# KiCad board SBC.kicad_pcb
date: 2023-05-13
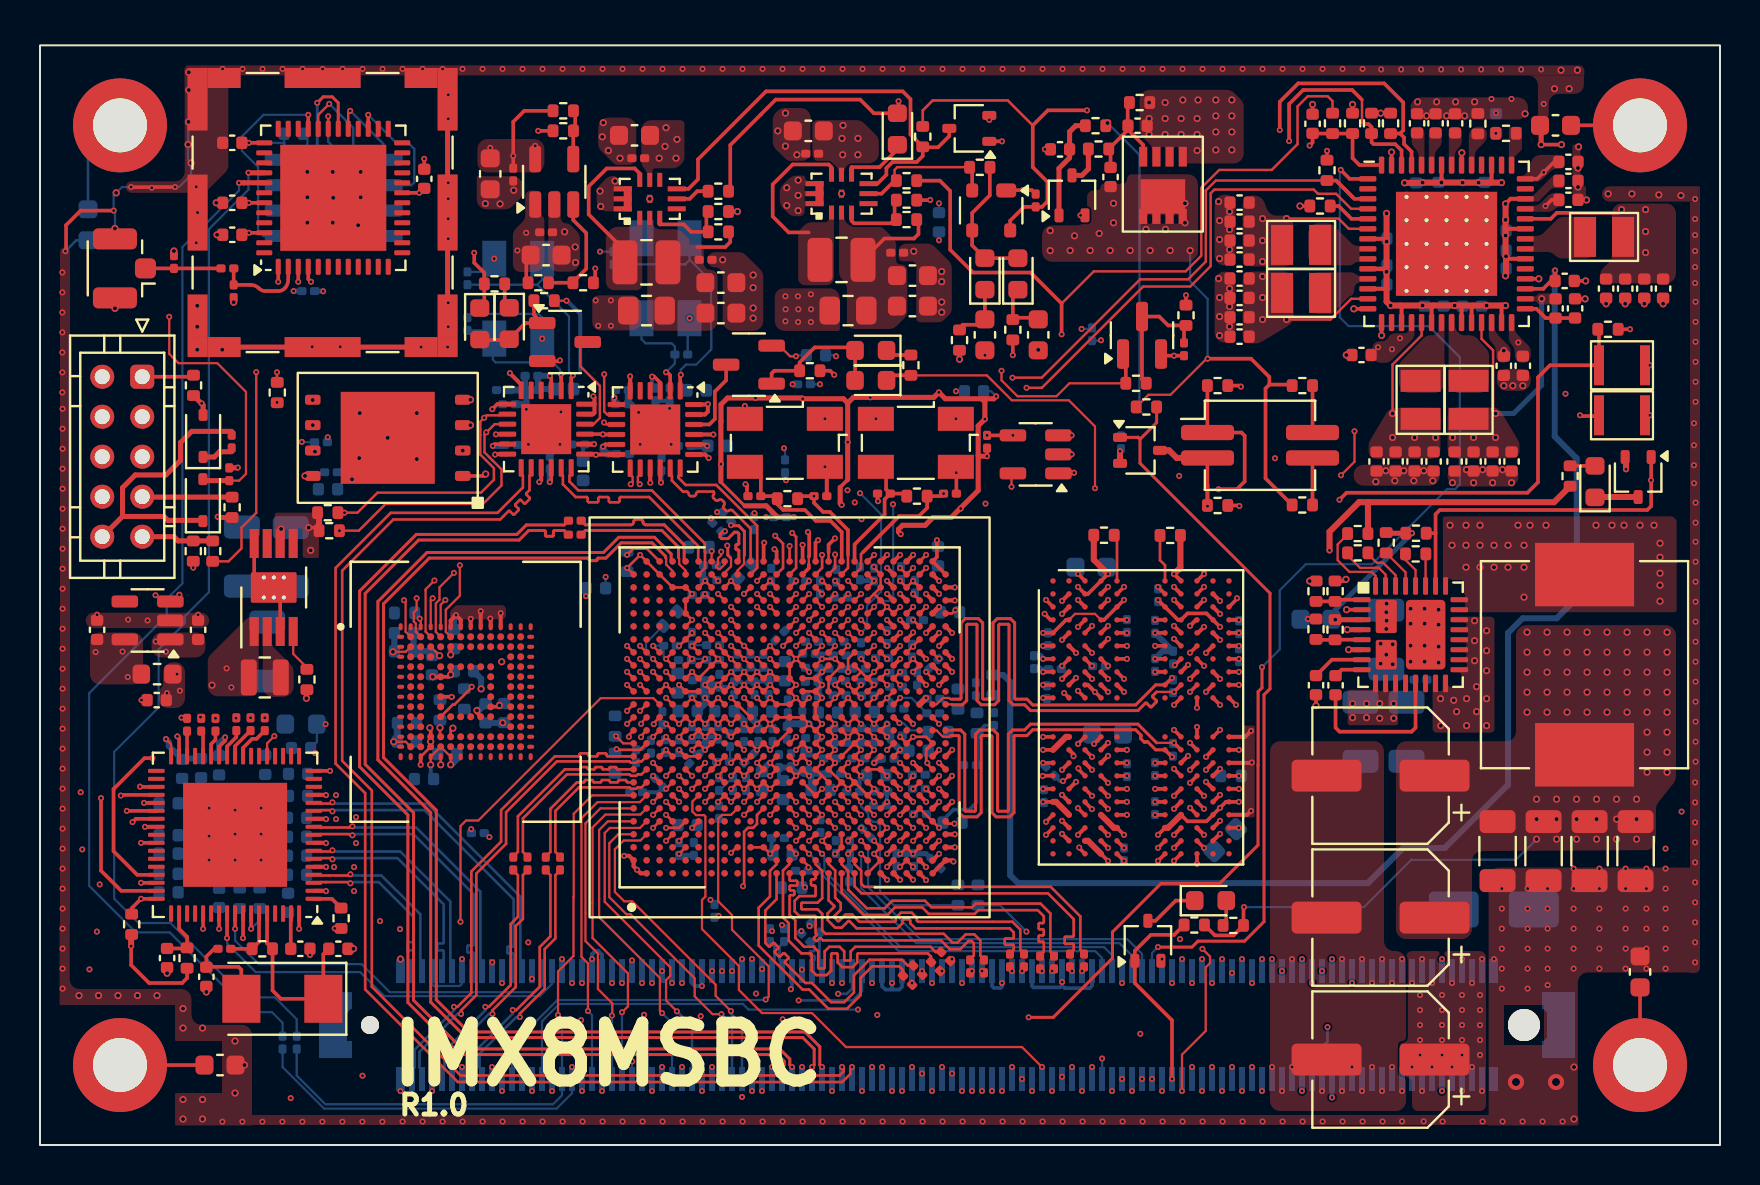
[diagram p0: board, top side]
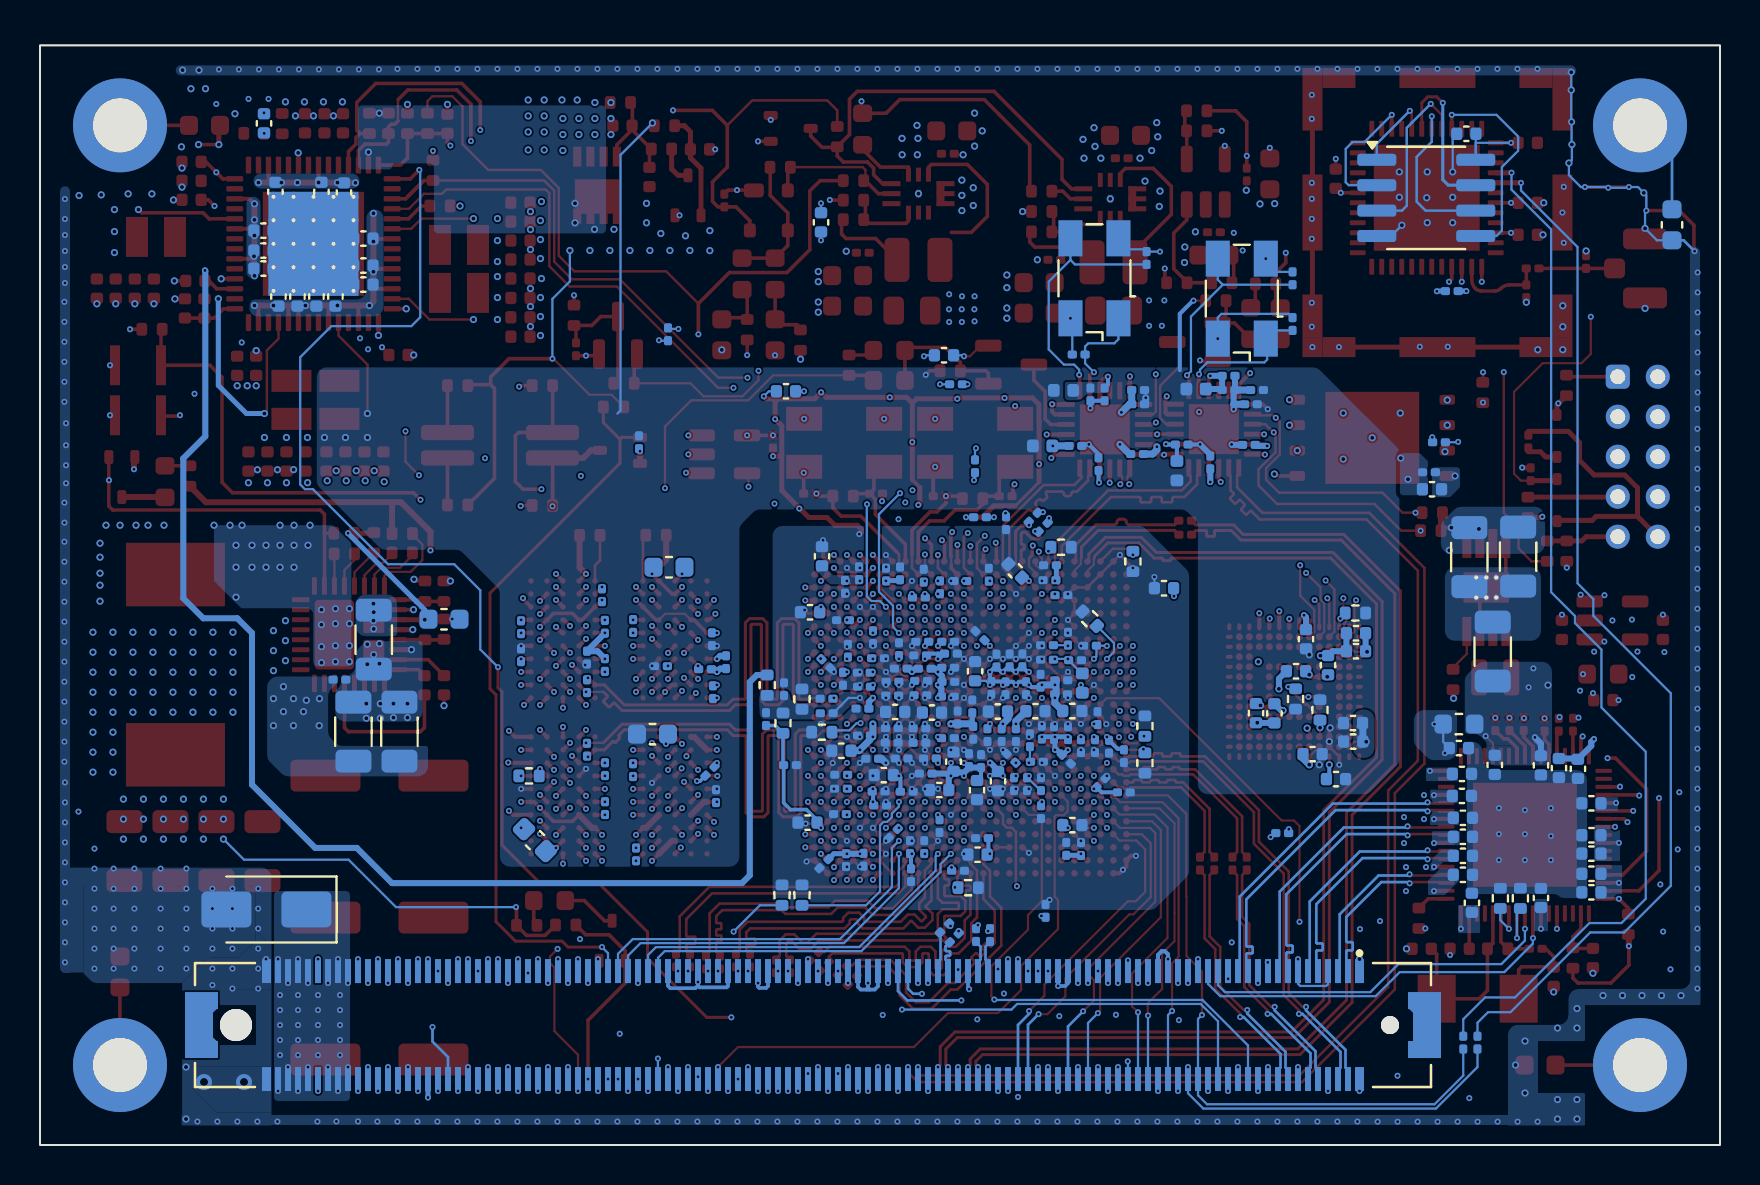
[diagram p1: board, bottom side, seen from below]

Outline 84 x 55 mm; copper layers: T, IN1, IN2, IN3, IN4, IN5 (plane), IN6, B. Coordinates in mm from the lower left corner of the outline.
Outline path: rectangle 0,55 84,0
Stack: T 0.035mm / dielectric 0.0994mm 3313 RC57% 4.2mil er 4.1 / IN1 0.0152mm / dielectric 0.13mm 0.13mm H/HOZ without copper er 4.6 / IN2 0.0152mm / dielectric 0.1088mm 2116 RC54% 4.9mil er 4.1 / IN3 0.0152mm / dielectric 0.13mm 0.13mm H/HOZ without copper er 4.6 / IN4 0.0152mm / dielectric 0.1088mm 2116 RC54% 4.9mil er 4.1 / IN5 0.0152mm / dielectric 0.13mm 0.13mm H/HOZ without copper er 4.6 / IN6 0.0152mm / dielectric 0.0994mm 3313 RC57% 4.2mil er 4.1 / B 0.0152mm

## Placement (name value [footprint] x y rotation side)
C1  2.2nF  [C_0402_1005Metric]  63.8 23 270 top
C2  4.7uF  [C_0402_1005Metric]  69.93 47.67 90 bottom
C3  4.7uF  [C_0402_1005Metric]  72.83 45.74 0 bottom
C4  4.7uF  [C_0402_1005Metric]  67.83 45.34 180 bottom
C5  4.7uF  [C_0402_1005Metric]  67.83 43.99 180 bottom
C6  4.7uF  [C_0402_1005Metric]  67.83 43.04 180 bottom
C7  4.7uF  [C_0402_1005Metric]  69.23 42.44 270 bottom
C8  4.7uF  [C_0402_1005Metric]  70.18 42.44 270 bottom
C9  4.7uF  [C_0402_1005Metric]  71.13 42.44 270 bottom
C10  4.7uF  [C_0402_1005Metric]  72.08 42.44 270 bottom
C11  4.7uF  [C_0402_1005Metric]  72.83 44.74 0 bottom
C12  4.7uF  [C_0402_1005Metric]  72.23 47.67 90 bottom
C13  4.7uF  [C_0402_1005Metric]  72.83 43.84 0 bottom
C14  4.7uF  [C_0402_1005Metric]  76.42 48.22 180 top
C15  4.7uF  [C_0402_1005Metric]  68.8 47.64 90 bottom
C16  4.7uF  [C_0402_1005Metric]  76.42 49.17 180 top
C17  0.1uF  [C_0402_1005Metric]  64.78 22.99 270 top
C18  4.7uF  [C_0402_1005Metric]  75.78 41.84 270 top
C19  4.7uF  [C_0402_1005Metric]  76.75 41.84 90 top
C20  33uF  [CP_Elec_6.3x7.7]  67.03 11.37 180 top
C21  22uF  [C_0402_1005Metric]  67.78 34.19 270 top
C22  22uF  [C_0402_1005Metric]  81.15 42.83 270 top
C23  22uF  [C_0402_1005Metric]  70.73 34.19 270 top
C24  4.7uF  [C_0402_1005Metric]  69.78 51.1 270 top
C25  4.7uF  [C_0402_1005Metric]  68.85 51.1 270 top
C26  4.7uF  [C_0402_1005Metric]  70.75 51.1 270 top
C27  33uF  [CP_Elec_6.3x7.7]  67.03 18.47 180 top
C28  33uF  [CP_Elec_6.3x7.7]  67.03 4.27 180 top
C29  22uF  [C_0603_1608Metric]  63.8 26.3 180 bottom
C30  22uF  [C_0402_1005Metric]  68.73 34.19 270 top
C31  22uF  [C_0402_1005Metric]  79.26 42.83 270 top
C32  22uF  [C_0402_1005Metric]  73.58 34.19 270 top
C33  22uF  [C_0402_1005Metric]  69.68 34.19 270 top
C34  22uF  [C_0402_1005Metric]  78.3 42.83 270 top
C35  22uF  [C_0402_1005Metric]  71.68 34.19 270 top
C36  10uF  [C_1206_3216Metric]  79.78 14.7 270 top
C37  10uF  [C_1206_3216Metric]  66.03 20.67 270 bottom
C38  22uF  [C_0402_1005Metric]  66.83 34.19 270 top
C39  22uF  [C_0402_1005Metric]  80.21 42.83 270 top
C40  22uF  [C_0402_1005Metric]  72.63 34.19 270 top
C41  10uF  [C_1206_3216Metric]  77.48 14.7 270 top
C42  10uF  [C_1206_3216Metric]  68.33 20.67 270 bottom
C43  10uF  [C_1206_3216Metric]  75.18 14.7 270 top
C44  10uF  [C_1206_3216Metric]  67.31 25.27 90 bottom
C45  22uF  [C_0402_1005Metric]  59.98 43.34 180 top
C46  22uF  [C_0402_1005Metric]  59.98 44.29 180 top
C47  10uF  [C_1206_3216Metric]  72.88 14.7 270 top
C48  220nF  [C_0201_0603Metric]  69.03 23.27 0 bottom
C49  4.7uF  [C_0402_1005Metric]  63.63 51.08 90 top
C50  22uF  [C_0402_1005Metric]  59.98 42.37 180 top
C51  22uF  [C_0402_1005Metric]  59.98 45.24 180 top
C52  22uF  [C_0402_1005Metric]  59.98 41.4 180 top
C53  22uF  [C_0402_1005Metric]  59.98 47.14 180 top
C54  22uF  [C_0402_1005Metric]  74.14 38.97 270 top
C55  22uF  [C_0402_1005Metric]  59.98 40.43 180 top
C56  22uF  [C_0402_1005Metric]  59.98 46.19 180 top
C57  1uF  [C_0402_1005Metric]  54.88 50.98 180 top
C58  0.1uF  [C_0402_1005Metric]  51 49.8 180 top
C59  22uF  [C_0402_1005Metric]  72.8 51.1 90 bottom
C60  22uF  [C_0402_1005Metric]  73.19 38.97 270 top
C61  4.7uF  [C_0402_1005Metric]  66.07 39.51 180 top
C62  22uF  [C_0402_1005Metric]  76.23 43.22 0 top
C63  22uF  [C_0402_1005Metric]  76.42 47.27 0 top
C64  0.022UF  [C_0402_1005Metric]  53.53 48.42 90 top
C65  22uF  [C_0402_1005Metric]  7.9 25.77 90 top
C66  0.1uF  [C_0201_0603Metric]  23.66 48.54 270 top
C67  10uF  [C_1206_3216Metric]  12.53 29.4 270 bottom
C68  10uF  [C_1206_3216Metric]  11.36 24.68 270 bottom
C69  22uF  [C_0603_1608Metric]  22.51 48.58 270 top
C70  22uF  [C_0402_1005Metric]  2.85 25.77 90 top
C71  10uF  [C_1206_3216Metric]  10.09 29.43 270 bottom
C72  220nF  [C_0201_0603Metric]  33.72 11.71 270 bottom
C73  0.1uF  [C_0201_0603Metric]  25.3 45.65 0 top
C74  22uF  [C_0603_1608Metric]  25.3 44.51 0 top
C75  0.1uF  [C_0201_0603Metric]  33.28 44.28 0 top
C76  22uF  [C_0603_1608Metric]  34.04 41.61 0 top
C77  22uF  [C_0603_1608Metric]  29.73 50.5 0 top
C78  22uF  [C_0603_1608Metric]  34.04 43.13 0 top
C79  0.1uF  [C_0201_0603Metric]  29.91 49.36 0 top
C80  0.1uF  [C_0201_0603Metric]  49.78 47.24 90 top
C81  1nF  [C_0603_1608Metric]  49.91 40.52 90 top
C82  1uF  [C_0603_1608Metric]  47.24 40.52 90 top
C83  0.1uF  [C_0201_0603Metric]  42.86 44.63 0 top
C84  22uF  [C_0603_1608Metric]  43.62 43.48 0 top
C85  22uF  [C_0603_1608Metric]  38.41 50.72 0 top
C86  22uF  [C_0603_1608Metric]  43.62 41.96 0 top
C87  0.1uF  [C_0201_0603Metric]  38.61 49.58 0 top
C88  1uF  [C_0201_0603Metric]  44.66 21.59 0 bottom
C89  0.1uF  [C_0201_0603Metric]  34.34 31.4 135 bottom
C90  0.1uF  [C_0201_0603Metric]  33.84 30.9 135 bottom
C91  0.1uF  [C_0201_0603Metric]  36.5 10.5 270 bottom
C92  0.1uF  [C_0201_0603Metric]  37.2 10.5 270 bottom
C93  0.1uF  [C_0201_0603Metric]  38.28 10.37 315 bottom
C94  0.1uF  [C_0201_0603Metric]  38.77 10.86 315 bottom
C95  0.1uF  [C_0201_0603Metric]  26.74 30.53 180 top
C96  0.1uF  [C_0201_0603Metric]  26.74 31.23 180 top
C97  0.1uF  [C_0201_0603Metric]  23.66 14.08 270 top
C98  0.1uF  [C_0201_0603Metric]  24.37 14.08 270 top
C99  0.1uF  [C_0201_0603Metric]  25.29 14.08 270 top
C100  0.1uF  [C_0201_0603Metric]  26 14.08 270 top
C101  0.1uF  [C_0201_0603Metric]  51.5 9.23 270 top
C102  0.1uF  [C_0201_0603Metric]  43.89 8.75 315 top
C103  0.1uF  [C_0201_0603Metric]  44.78 8.93 315 top
C104  0.1uF  [C_0201_0603Metric]  50.7 9.13 270 top
C105  0.1uF  [C_0201_0603Metric]  48.5 9.23 270 top
C106  0.1uF  [C_0201_0603Metric]  47.2 8.94 270 top
C107  0.1uF  [C_0201_0603Metric]  52.2 9.23 270 top
C108  0.1uF  [C_0201_0603Metric]  43.38 8.24 315 top
C109  0.1uF  [C_0201_0603Metric]  45.28 9.43 315 top
C110  0.1uF  [C_0201_0603Metric]  50.01 9.13 270 top
C111  0.1uF  [C_0201_0603Metric]  49.2 9.23 270 top
C112  0.1uF  [C_0201_0603Metric]  46.51 8.94 270 top
C113  1uF  [C_0201_0603Metric]  32.93 27.5 0 bottom
C114  1uF  [C_0201_0603Metric]  33.5 29 180 bottom
C115  1uF  [C_0201_0603Metric]  29.8 19.45 270 bottom
C116  1uF  [C_0201_0603Metric]  31.95 19.95 270 bottom
C117  1uF  [C_0201_0603Metric]  30.55 19.93 270 bottom
C118  1uF  [C_0201_0603Metric]  33.65 25 180 bottom
C119  1uF  [C_0201_0603Metric]  39.79 14.9 90 bottom
C120  1uF  [C_0201_0603Metric]  31.25 19.95 270 bottom
C121  1uF  [C_0201_0603Metric]  31.13 21.35 270 bottom
C122  1uF  [C_0201_0603Metric]  33.52 28.25 180 bottom
C123  1uF  [C_0201_0603Metric]  32.25 24.25 0 bottom
C124  1uF  [C_0201_0603Metric]  33.65 24.28 0 bottom
C125  1uF  [C_0201_0603Metric]  40.45 13.5 270 bottom
C126  1uF  [C_0201_0603Metric]  32.6 25.33 90 bottom
C127  1uF  [C_0201_0603Metric]  40.5 14.9 270 bottom
C128  1uF  [C_0201_0603Metric]  36.9 15.35 0 bottom
C129  1uF  [C_0201_0603Metric]  32.69 14.81 90 bottom
C130  22uF  [C_0402_1005Metric]  39.04 17.76 0 bottom
C131  22uF  [C_0402_1005Metric]  46.7 37.7 180 bottom
C132  0.1uF  [C_0201_0603Metric]  39.99 24.49 0 bottom
C133  27pF  [C_0201_0603Metric]  35.72 32.46 180 top
C134  22uF  [C_0402_1005Metric]  38.32 19.18 90 bottom
C135  0.1uF  [C_0201_0603Metric]  38.46 24.58 0 bottom
C136  0.1uF  [C_0201_0603Metric]  41 28.59 90 bottom
C137  0.1uF  [C_0201_0603Metric]  29.81 17.64 180 bottom
C138  0.1uF  [C_0201_0603Metric]  14.05 35.15 180 bottom
C139  0.1uF  [C_0201_0603Metric]  37 25.48 45 bottom
C140  0.1uF  [C_0201_0603Metric]  33.95 16.65 270 bottom
C141  0.1uF  [C_0402_1005Metric]  37.13 14.53 0 bottom
C142  22uF  [C_0402_1005Metric]  32.38 16 180 bottom
C143  0.1uF  [C_0201_0603Metric]  30.95 18.13 135 bottom
C144  0.1uF  [C_0201_0603Metric]  21.89 15.6 180 bottom
C145  0.1uF  [C_0201_0603Metric]  13.41 42.71 180 bottom
C146  0.1uF  [C_0201_0603Metric]  31.95 14.8 90 bottom
C147  0.1uF  [C_0201_0603Metric]  41.34 15.59 315 bottom
C148  0.1uF  [C_0201_0603Metric]  39.02 15.95 270 bottom
C149  27pF  [C_0201_0603Metric]  42.2 32.58 180 top
C150  0.1uF  [C_0201_0603Metric]  47.35 35.17 270 top
C151  0.1uF  [C_0201_0603Metric]  32.6 20.6 90 bottom
C152  22uF  [C_0402_1005Metric]  37.15 17.75 270 bottom
C153  0.1uF  [C_0201_0603Metric]  39.81 28.48 270 bottom
C154  0.1uF  [C_0201_0603Metric]  41.05 24.8 90 bottom
C155  22uF  [C_0402_1005Metric]  44.95 46.15 90 bottom
C156  22uF  [C_0402_1005Metric]  41.24 21.66 0 bottom
C157  22uF  [C_0402_1005Metric]  41.81 18.5 180 bottom
C158  22uF  [C_0402_1005Metric]  44.9 29.45 90 bottom
C159  22uF  [C_0402_1005Metric]  45.5 26.65 180 bottom
C160  27pF  [C_0201_0603Metric]  39.02 32.46 0 top
C161  1uF  [C_0201_0603Metric]  40.96 23.83 0 bottom
C162  0.1uF  [C_0201_0603Metric]  33.3 20.6 90 bottom
C163  27pF  [C_0201_0603Metric]  45.5 32.58 0 top
C164  1uF  [C_0201_0603Metric]  39.71 18.58 0 bottom
C165  0.1uF  [C_0201_0603Metric]  41.7 28.53 270 bottom
C166  22uF  [C_0402_1005Metric]  36.1 18.2 270 bottom
C167  22uF  [C_0402_1005Metric]  39.4 21.63 180 bottom
C168  10nF  [C_0201_0603Metric]  40.66 17.67 0 bottom
C169  22uF  [C_0402_1005Metric]  43.93 19.72 0 bottom
C170  22uF  [C_0402_1005Metric]  45.63 16.13 180 bottom
C171  22uF  [C_0402_1005Metric]  35.24 28.72 45 bottom
C172  1uF  [C_0201_0603Metric]  37.55 19.25 90 bottom
C173  1uF  [C_0201_0603Metric]  9.46 33.55 90 top
C174  22uF  [C_0402_1005Metric]  38.8 39.5 180 bottom
C175  1uF  [C_0201_0603Metric]  39.98 22.5 180 bottom
C176  10nF  [C_0201_0603Metric]  39.95 23.22 0 bottom
C177  1uF  [C_0201_0603Metric]  43.7 14.25 270 bottom
C178  1uF  [C_0201_0603Metric]  43.94 18.52 180 bottom
C179  22uF  [C_0402_1005Metric]  36.1 21.68 0 bottom
C180  1uF  [C_0201_0603Metric]  38.12 21.38 270 bottom
C181  1uF  [C_0201_0603Metric]  52.6 40.55 270 bottom
C182  0.1uF  [C_0201_0603Metric]  36.56 28.53 90 bottom
C183  1uF  [C_0201_0603Metric]  36.95 19.2 90 bottom
C184  1uF  [C_0201_0603Metric]  34.65 18.05 270 bottom
C185  1uF  [C_0201_0603Metric]  42 16.98 180 bottom
C186  4.7nF  [C_0201_0603Metric]  42.81 23.63 180 bottom
C187  0.1uF  [C_0201_0603Metric]  39.89 25.17 0 bottom
C188  1uF  [C_0201_0603Metric]  42.82 14.27 270 bottom
C189  1uF  [C_0201_0603Metric]  44 16.55 180 bottom
C190  1uF  [C_0201_0603Metric]  38.1 13.72 180 bottom
C191  22uF  [C_0402_1005Metric]  34.23 21.7 180 bottom
C192  1uF  [C_0201_0603Metric]  37 31.4 180 bottom
C193  0.1uF  [C_0201_0603Metric]  32.69 19.3 225 bottom
C194  22uF  [C_0402_1005Metric]  32.38 21.71 180 bottom
C195  1uF  [C_0201_0603Metric]  35.52 24.24 270 bottom
C196  1uF  [C_0201_0603Metric]  35.45 19.35 45 bottom
C197  1uF  [C_0201_0603Metric]  42.07 17.68 180 bottom
C198  4.7nF  [C_0201_0603Metric]  42.35 25.4 90 bottom
C199  1uF  [C_0201_0603Metric]  44.68 22.33 0 bottom
C200  1uF  [C_0201_0603Metric]  44.8 14.08 135 bottom
C201  1uF  [C_0201_0603Metric]  37.25 33.95 270 bottom
C202  1uF  [C_0201_0603Metric]  36.63 20.5 90 bottom
C203  22uF  [C_0402_1005Metric]  37.25 23.7 90 bottom
C204  1uF  [C_0201_0603Metric]  36.18 24.22 270 bottom
C205  1uF  [C_0201_0603Metric]  33.95 18.05 90 bottom
C206  1uF  [C_0201_0603Metric]  42.1 24.35 180 bottom
C207  4.7nF  [C_0201_0603Metric]  40.03 20.84 0 bottom
C208  1uF  [C_0201_0603Metric]  43.6 24.73 90 bottom
C209  1uF  [C_0201_0603Metric]  46.5 19 0 bottom
C210  1uF  [C_0201_0603Metric]  37.39 21.94 90 bottom
C211  1uF  [C_0201_0603Metric]  38.61 22.43 0 bottom
C212  0.1uF  [C_0201_0603Metric]  57.2 39.8 270 top
C213  22uF  [C_0402_1005Metric]  27.8 27.85 0 bottom
C214  1uF  [C_0201_0603Metric]  33.97 23.22 270 bottom
C215  1uF  [C_0201_0603Metric]  35.3 18.05 270 bottom
C216  4.7nF  [C_0201_0603Metric]  40.03 20.11 180 bottom
C217  4.7nF  [C_0201_0603Metric]  41.41 20.85 180 bottom
C218  1uF  [C_0201_0603Metric]  43.85 23.32 270 bottom
C219  1uF  [C_0201_0603Metric]  43.85 26.25 180 bottom
C220  1uF  [C_0201_0603Metric]  38.6 20.35 180 bottom
C221  1uF  [C_0201_0603Metric]  39.5 19.34 180 bottom
C222  1uF  [C_0201_0603Metric]  38.59 25.17 180 bottom
C223  0.1uF  [C_0201_0603Metric]  37.98 28.21 0 bottom
C224  1uF  [C_0201_0603Metric]  35.72 22.85 270 bottom
C225  1uF  [C_0201_0603Metric]  36.43 22.86 90 bottom
C226  0.1uF  [C_0201_0603Metric]  33.91 20.63 90 bottom
C227  1uF  [C_0201_0603Metric]  35.7 31.1 270 bottom
C228  4.7nF  [C_0201_0603Metric]  41.41 20.12 0 bottom
C229  4.7nF  [C_0201_0603Metric]  41.37 23.18 180 bottom
C230  1uF  [C_0201_0603Metric]  42.8 20.48 0 bottom
C231  1uF  [C_0201_0603Metric]  43.95 17.82 180 bottom
C232  1uF  [C_0201_0603Metric]  31.5 24.98 0 bottom
C233  1uF  [C_0201_0603Metric]  35.2 20.5 270 bottom
C234  1uF  [C_0201_0603Metric]  37.34 20.62 90 bottom
C235  1uF  [C_0201_0603Metric]  32.93 23.25 180 bottom
C236  1uF  [C_0201_0603Metric]  34.88 24.24 270 bottom
C237  1uF  [C_0201_0603Metric]  34.15 19.17 180 bottom
C238  4.7nF  [C_0201_0603Metric]  41.39 22.48 0 bottom
C239  4.7nF  [C_0201_0603Metric]  42.39 19.32 180 bottom
C240  1uF  [C_0201_0603Metric]  42.88 21.83 0 bottom
C241  1uF  [C_0201_0603Metric]  43.75 27.92 90 bottom
C242  1uF  [C_0201_0603Metric]  38.59 23.87 180 bottom
C243  1uF  [C_0201_0603Metric]  38.58 23.17 0 bottom
C244  1uF  [C_0201_0603Metric]  32.94 22.54 180 bottom
C245  1uF  [C_0201_0603Metric]  34.7 22.85 90 bottom
C246  1uF  [C_0201_0603Metric]  34.5 20.25 90 bottom
C247  4.7nF  [C_0201_0603Metric]  40.92 19.33 180 bottom
C248  4.7nF  [C_0201_0603Metric]  42.8 22.93 180 bottom
C249  1uF  [C_0201_0603Metric]  44.7 24.08 225 bottom
C250  1uF  [C_0201_0603Metric]  43.05 28.6 270 bottom
C251  1uF  [C_0201_0603Metric]  35.92 20.5 270 bottom
C252  1uF  [C_0201_0603Metric]  38.2 38.05 180 bottom
C253  4.7uF  [C_0201_0603Metric]  49.7 24.15 90 bottom
C254  0.1uF  [C_0201_0603Metric]  47.7 21.3 90 bottom
C255  0.1uF  [C_0201_0603Metric]  46.8 22.8 90 bottom
C256  22uF  [C_0603_1608Metric]  59.25 15.25 45 bottom
C257  22uF  [C_0603_1608Metric]  52.55 28.9 0 bottom
C258  4.7uF  [C_0201_0603Metric]  55.76 25.92 270 bottom
C259  4.7uF  [C_0201_0603Metric]  50.35 22.65 270 bottom
C260  4.7uF  [C_0201_0603Metric]  54.35 18.75 270 bottom
C261  4.7uF  [C_0201_0603Metric]  55.75 18.8 90 bottom
C262  4.7uF  [C_0201_0603Metric]  54.34 25.96 270 bottom
C263  4.7uF  [C_0201_0603Metric]  59.95 25.9 90 bottom
C264  4.7uF  [C_0201_0603Metric]  55.75 16.85 90 bottom
C265  4.7uF  [C_0201_0603Metric]  55.9 27.5 90 bottom
C266  4.7uF  [C_0201_0603Metric]  54.2 14.53 270 bottom
C267  4.7uF  [C_0201_0603Metric]  55.76 24.01 270 bottom
C268  22uF  [C_0603_1608Metric]  53.38 20.55 180 bottom
C269  4.7uF  [C_0201_0603Metric]  50.2 17.45 270 bottom
C270  4.7uF  [C_0201_0603Metric]  50.4 25.3 270 bottom
C271  4.7uF  [C_0201_0603Metric]  52.95 23.95 180 bottom
C272  4.7uF  [C_0201_0603Metric]  56.65 24.38 270 bottom
C273  4.7uF  [C_0201_0603Metric]  59.95 24.5 270 bottom
C274  4.7uF  [C_0201_0603Metric]  54.05 35.15 90 bottom
C275  22uF  [C_0402_1005Metric]  14.4 32.8 0 bottom
C276  220nF  [C_0201_0603Metric]  14.55 33.65 0 bottom
C277  0.1uF  [C_0402_1005Metric]  18.2 25.6 0 bottom
C278  0.1uF  [C_0402_1005Metric]  19.2 18.3 0 bottom
C279  0.1uF  [C_0402_1005Metric]  18.2 24.7 0 bottom
C280  0.1uF  [C_0402_1005Metric]  18.34 20.18 180 bottom
C281  0.1uF  [C_0402_1005Metric]  21.2 23.7 0 bottom
C282  0.1uF  [C_0402_1005Metric]  20.7 25.3 90 bottom
C283  0.1uF  [C_0402_1005Metric]  23.2 21.6 270 bottom
C284  0.1uF  [C_0402_1005Metric]  20.37 19.55 0 bottom
C285  0.1uF  [C_0402_1005Metric]  22.28 21.59 270 bottom
C286  0.1uF  [C_0402_1005Metric]  18.35 21.1 180 bottom
C287  0.1uF  [C_0402_1005Metric]  19.6 24 90 bottom
C288  220nF  [C_0603_1608Metric]  75.78 51 180 top
C289  220nF  [C_0603_1608Metric]  9 4 0 top
C290  220nF  [C_0603_1608Metric]  2.4 46.03 270 bottom
C291  220nF  [C_0603_1608Metric]  80 8.66 90 top
C292  27pF  [C_0201_0603Metric]  28.67 44.37 90 bottom
C293  27pF  [C_0201_0603Metric]  32.07 39.54 0 bottom
C294  1uF  [C_0201_0603Metric]  29.14 34.56 0 bottom
C295  1uF  [C_0201_0603Metric]  32.23 34.97 180 bottom
C296  1uF  [C_0201_0603Metric]  29.09 37.05 0 bottom
C297  1uF  [C_0201_0603Metric]  30.77 37.54 270 bottom
C298  1uF  [C_0201_0603Metric]  23.15 37.76 0 bottom
C299  1uF  [C_0201_0603Metric]  31.48 37.54 270 bottom
C300  1uF  [C_0201_0603Metric]  31.07 34.05 90 bottom
C301  27pF  [C_0201_0603Metric]  21.37 43.35 90 bottom
C302  27pF  [C_0201_0603Metric]  21.37 41.06 90 bottom
C303  1uF  [C_0201_0603Metric]  26.91 35.04 180 bottom
C304  1uF  [C_0201_0603Metric]  23.56 35.02 0 bottom
C305  1uF  [C_0201_0603Metric]  29.09 37.76 0 bottom
C306  1uF  [C_0201_0603Metric]  25.49 34.14 90 bottom
C307  1uF  [C_0201_0603Metric]  23.45 37.05 0 bottom
C308  1uF  [C_0201_0603Metric]  24.57 38.47 180 bottom
C309  1uF  [C_0201_0603Metric]  24.57 37.76 180 bottom
C310  0.01uF  [C_0402_1005Metric]  13.02 9.81 180 top
C311  0.1uF  [C_0402_1005Metric]  12.68 50.58 0 bottom
C312  10uF  [C_0402_1005Metric]  9.61 50.13 180 top
C313  0.1uF  [C_0201_0603Metric]  9.68 42.7 270 top
C314  0.1uF  [C_0201_0603Metric]  6.7 44.17 90 top
C315  0.1uF  [C_0402_1005Metric]  19.21 48.33 90 top
C316  0.1uF  [C_0402_1005Metric]  9.61 45.53 180 top
C317  0.1uF  [C_0402_1005Metric]  9.61 47.13 180 top
C318  0.1uF  [C_0402_1005Metric]  6.35 9.35 270 top
C319  0.1uF  [C_0402_1005Metric]  7.1 18.81 270 bottom
C320  27pF  [C_0402_1005Metric]  14.92 9.81 0 top
C321  10uF  [C_0402_1005Metric]  13.05 19.85 180 bottom
C322  10uF  [C_0402_1005Metric]  5.83 22.25 180 top
C323  10uF  [C_0402_1005Metric]  6.43 15.49 0 bottom
C324  0.1uF  [C_0402_1005Metric]  12.9 18.56 180 bottom
C325  0.1uF  [C_0402_1005Metric]  12.85 13.51 180 bottom
C326  0.1uF  [C_0402_1005Metric]  12.4 12.11 90 bottom
C327  0.1uF  [C_0402_1005Metric]  8.95 18.99 270 bottom
C328  27pF  [C_0402_1005Metric]  8.32 8.41 270 top
C329  10uF  [C_0402_1005Metric]  8.05 18.85 270 bottom
C330  0.1uF  [C_0402_1005Metric]  6.43 13.56 0 bottom
C331  0.1uF  [C_0402_1005Metric]  12.85 16.36 180 bottom
C332  0.1uF  [C_0402_1005Metric]  12.85 14.46 180 bottom
C333  0.1uF  [C_0402_1005Metric]  8.95 12.36 90 bottom
C334  10uF  [C_0402_1005Metric]  6.43 17.09 0 bottom
C335  0.1uF  [C_0402_1005Metric]  12.85 15.41 180 bottom
C336  0.1uF  [C_0402_1005Metric]  12.9 17.46 180 bottom
C337  0.1uF  [C_0402_1005Metric]  11.26 19.01 270 bottom
C338  0.1uF  [C_0402_1005Metric]  6.43 14.57 0 bottom
C339  10uF  [C_0402_1005Metric]  6.43 12.64 0 bottom
D1  P4SMA30CA  [D_SMA]  72.68 11.78 0 bottom
D2  RSX501LAM20TR  [D_0603_1608Metric]  42.87 50.82 90 top
D3  SD0603S040S0R2  [D_0603_1608Metric]  48.9 43.57 90 top
D4  SD0603S040S0R2  [D_0603_1608Metric]  47.24 43.57 90 top
D5  LG Q976.01-MGNI-35-1  [LED_0603_1608Metric]  77.75 33.18 90 top
D6  BQ-0603G027-H3YYD0N-E0  [LED_0603_1608Metric]  58.52 12.23 0 top
D7  RSX501LAM20TR  [D_0603_1608Metric]  41.54 39.74 180 top
D8  RSX501LAM20TR  [D_0603_1608Metric]  41.54 38.24 180 top
D9  BAT54WS-7-F  [D_SOD-323]  8.14 32.26 90 top
D10  BAT54WS-7-F  [D_SOD-323]  8.15 35.47 90 top
D11  RSX501LAM20TR  [D_0603_1608Metric]  23.46 41.09 270 top
D12  RSX501LAM20TR  [D_0603_1608Metric]  21.99 41.07 270 top
FB1  120 Ohms @ 100MHz  [L_0402_1005Metric]  31.88 23.11 90 bottom
FB2  240 Ohms @ 100MHz  [L_0201_0603Metric]  39.76 23.82 180 bottom
FB3  120 Ohms @ 100MHz  [L_0402_1005Metric]  33.87 34.97 180 bottom
FB4  120 Ohms @ 100MHz  [L_0402_1005Metric]  32.82 37.75 180 bottom
FB5  120 Ohms @ 100MHz  [L_0402_1005Metric]  27.15 33.73 90 bottom
FB6  120 Ohms @ 100MHz  [L_0402_1005Metric]  26.2 37.81 180 bottom
FB7  240 Ohms @ 100MHz  [L_0603_1608Metric]  13.05 21.05 0 bottom
FB8  240 Ohms @ 100MHz  [L_0603_1608Metric]  5.85 23.55 0 top
H1  MountingHole_Pad  [MountingHole_2.7mm_M2.5_DIN965_Pad_TopBottom]  80 51 0 top
H2  MountingHole_Pad  [MountingHole_2.7mm_M2.5_DIN965_Pad_TopBottom]  4 4 0 top
H3  MountingHole_Pad  [MountingHole_2.7mm_M2.5_DIN965_Pad_TopBottom]  4 51 0 top
H4  MountingHole_Pad  [MountingHole_2.7mm_M2.5_DIN965_Pad_TopBottom]  80 4 0 top
HS1  -  [HSB07-202009]  37.48 21.39 0 top
J1  3-1827253-6  [CONN_3-1827253-6]  45.35 6 180 bottom
J2  B10B-PHDSS  [JST_PHD_B10B-PHDSS_2x05_P2.00mm_Vertical]  5.11 38.43 270 top
J3  Conn_Coaxial  [U.FL_Hirose_U.FL-R-SMT-1_Vertical]  4.22 43.85 180 top
J4  RFShield_OnePiece  [Laird_Technologies_BMI-S-101_13.66x12.70mm]  14.13 46.64 0 top
L1  1uH  [74404024010]  63.05 45.02 0 top
L2  1uH  [74404024010]  63.05 42.62 0 top
L3  1uH  [74404024010]  71.43 37.27 90 top
L4  1uH  [74404024010]  78.2 45.42 180 top
L5  1uH  [74404024010]  69.03 37.27 90 top
L6  4.7uH  [IHLP-4040]  77.23 24.02 270 top
L7  2.2uH  [L_0806]  10.44 23.38 0 top
L8  0.47uH  [L_1008_2520Metric]  30.32 44.15 0 top
L9  0.47uH  [L_1008_2520Metric]  40.08 44.27 0 top
L10  ~  [L_0201_0603Metric]  9.37 43.85 180 top
Q1  2SK3018-TP  [SOT-323_SC-70]  51.6 47.5 90 top